# Altium PCB PCIe_to_M2E.PcbDoc (part 5 of 6) (continued)
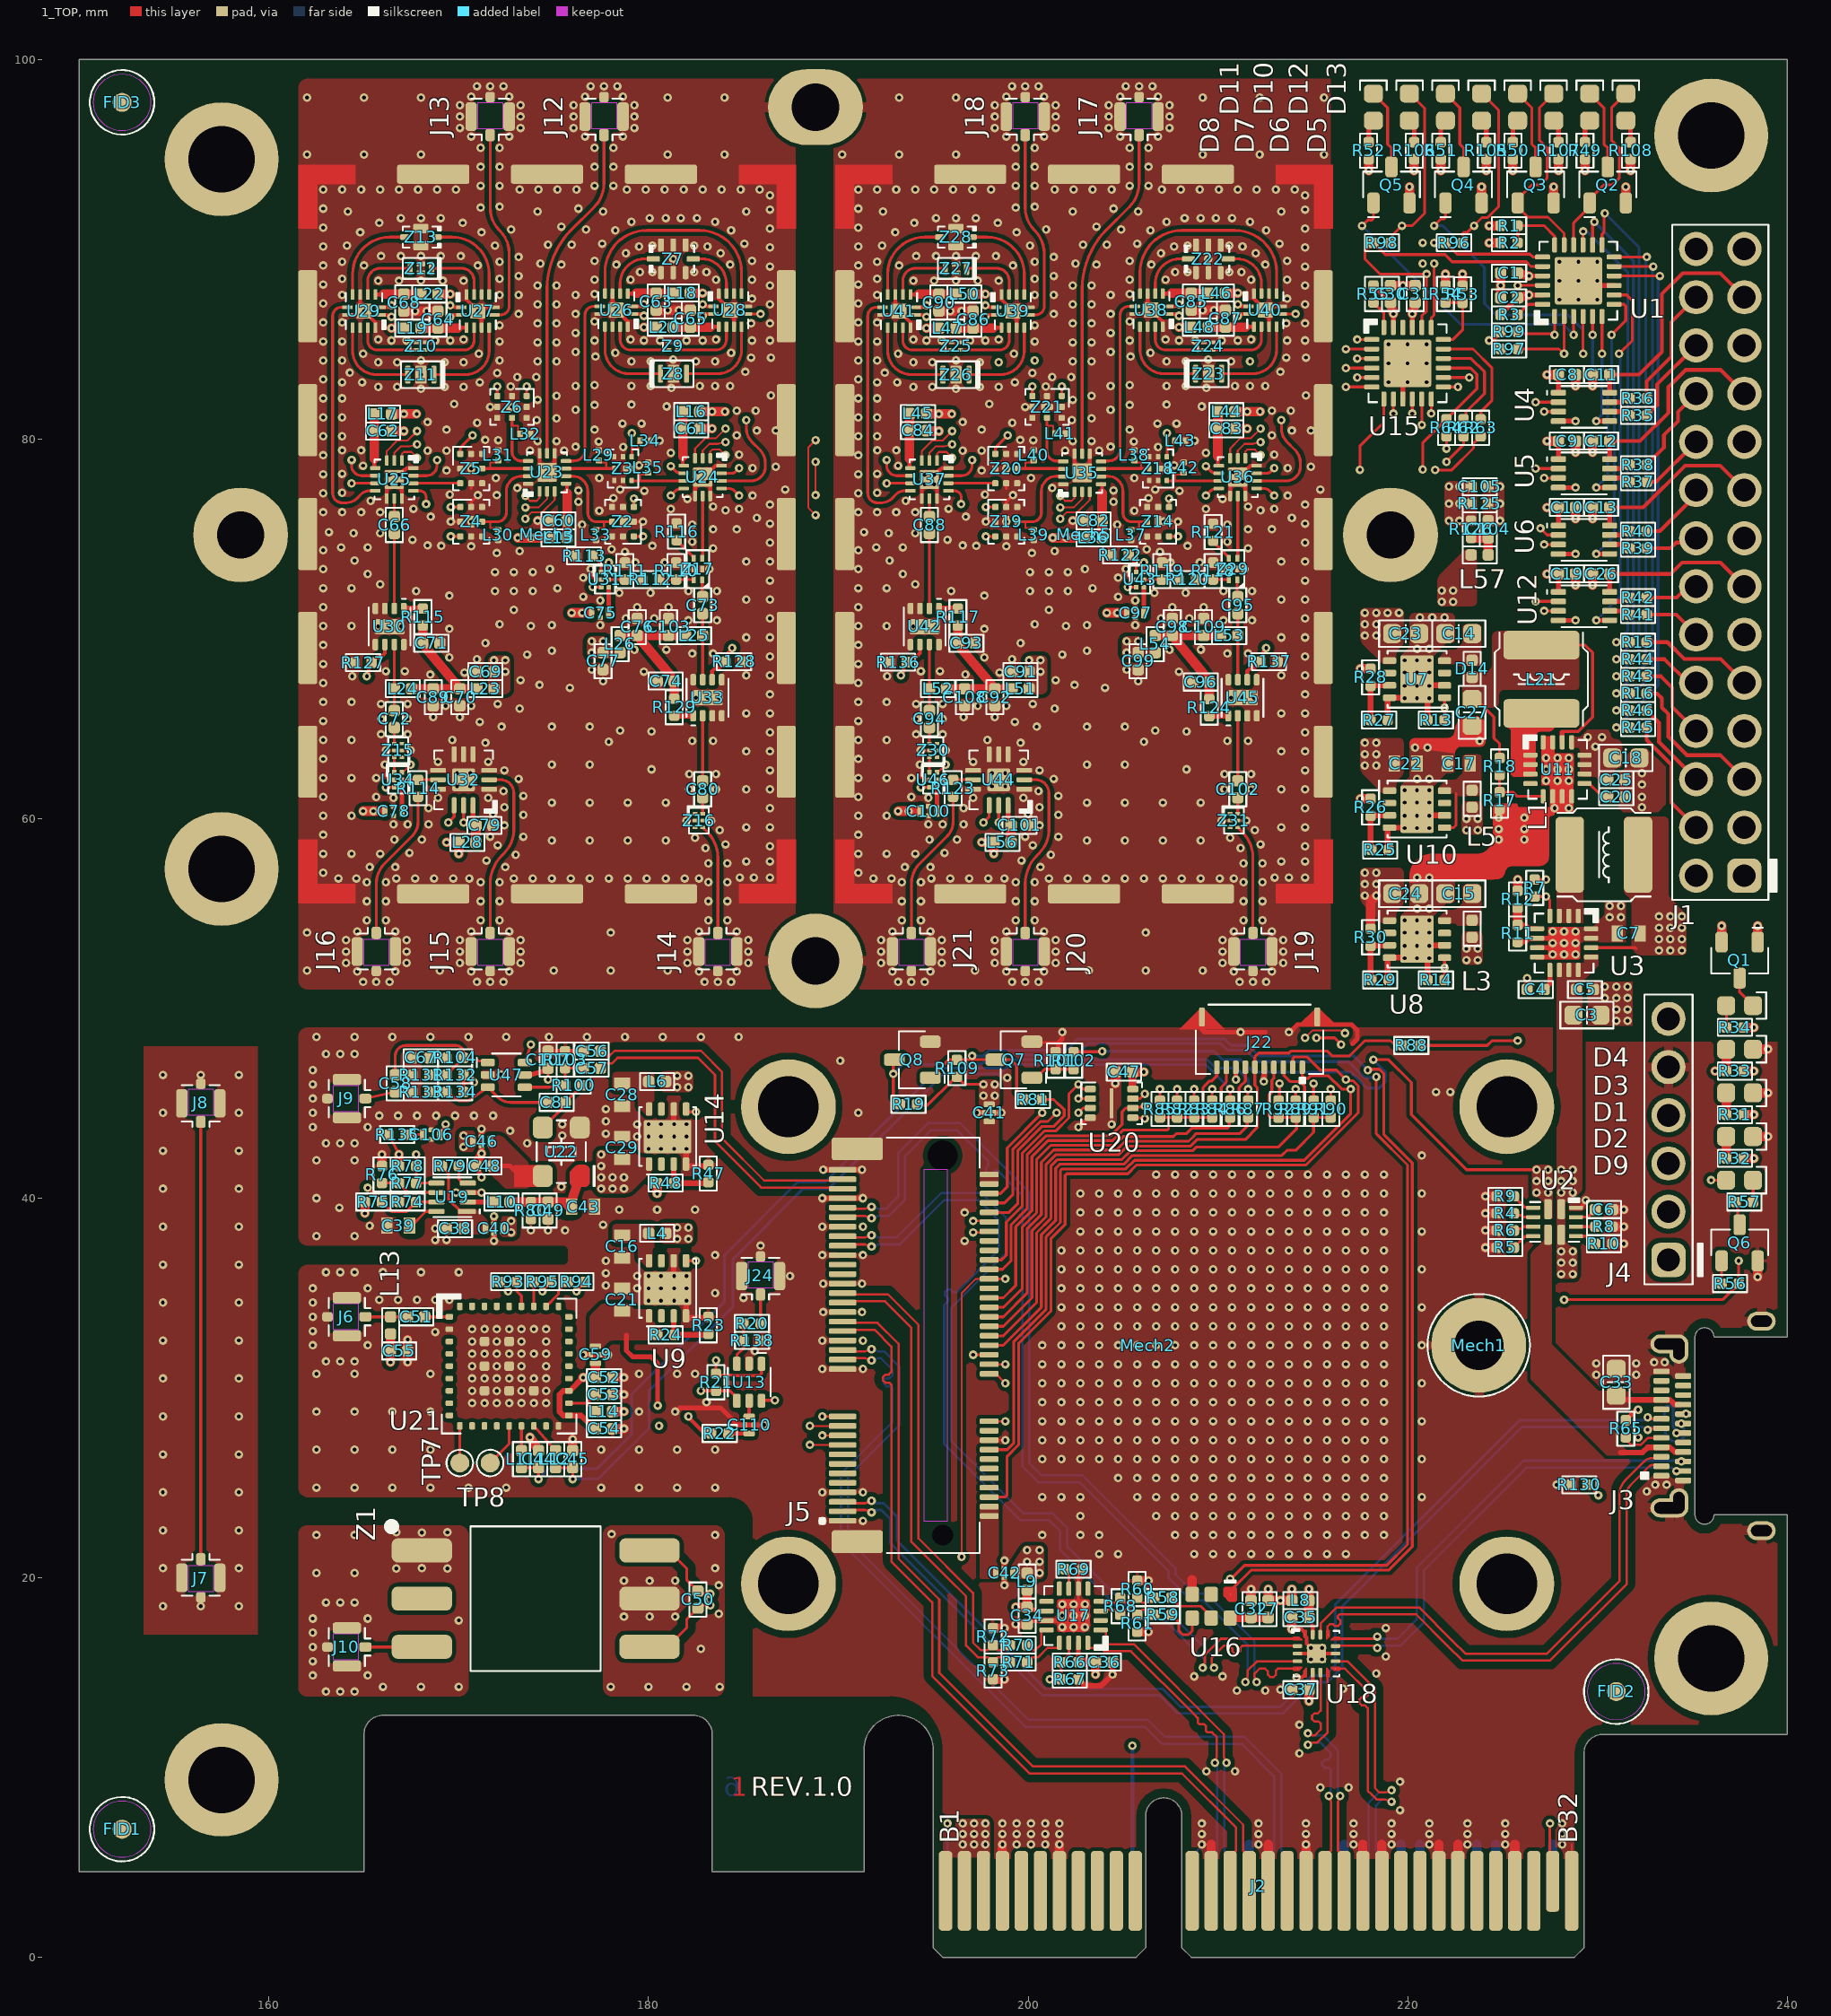
[diagram p0: 1_TOP view]
## Nets (pads, with @x,y where several pads share a name; then routed paths per layer and width w, separated by ;. In a path a pad name is that pad's centre, name@x,y a point inside that pad or via, vN(x,y) a via of type N, cw(c..) or ccw(c..) an arc to the next point about the centre after c; other vN are vias at no path point) (continued)
  1_TOP w0.5: v1(166.4,31.35) C55.2@166.4,31.95 L13.1@166.4,32.85 ; v1(176.55,30.55) C52.1@177.2,30.55 C59.1@177.2,31.2
  3_Signal w0.1: v1(176.55,30.55) 177.5,30.55 178,30.05 181.85,30.05 182.675,29.225 182.675,29.095 182.895,28.875 183.025,28.875 183.4,28.5 187.9,28.5 188.275,28.875 195.408,28.875 196.433,27.85 196.65,27.85 198.4,26.1 199.083,26.1 199.633,26.65 222.45,26.65 230.95,35.15 230.95,39.7 232.5,41.25 232.5,45.05 233.05,45.6 234.25,45.6 236,43.85 v1(236,40.95)
  3_Signal w0.5: v1(166.4,31.35) 168,29.75 169.1,29.75 170.35,28.5 175,28.5 176.25,29.75 176.25,30.25 v1(176.55,30.55)
VCTRL: C43.1 C49.1 L10.2 R80.1 U22.1 | length 5
  1_TOP w0.5: L10.2@172.7,39.8 R80.1@173.8,39.8 C49.1@174.7,39.8 175.59,39.8 175.84,39.55 U22.1@176.375,41.175
VIN_12P0: C18.1 C25.1 J2.A2 J2.A3 J2.B1 J2.B2 J2.B3 R102.2 U2.2 U11.10 U11.11 U11.12 U11.13 | length 30.8
  1_TOP w0.15: R102.2@202.4,47.7 202.42,47.72 203.882,47.72 v1(203.903,47.741) ; v1(218.2,47.3) 219,47.3 220.2,46.1 220.2,44.4 223.1,41.5 v1(226.8,41.5)
  6_BOTTOM w0.15: v1@203.903,47.744 209.806,47.744 210.25,47.3 211.2,47.3 211.85,46.65 217,46.65 217.85,45.8 218.5,45.8 218.838,46.138 218.838,46.662 v1(218.2,47.3)
  other v1: 196.55,5.95 197.15,5.95 197.75,5.95 196.55,6.5 197.15,6.5 197.75,6.5 196.55,7.05 197.15,7.05 197.75,7.05 226.8,40.3 227.4,40.3 226.8,40.9 227.4,40.9 227.4,41.5 229.9,63.8 229.5,64.3 230.25,64.3
pads on no net: D14.1 D14.2 FID1.FID FID2.FID FID3.FID J2.A5 J2.A6 J2.A7 J2.A8 J2.A9 J2.A10 J2.A19 J2.A25 J2.A26 J2.A29 J2.A30 J2.A32 J2.B5 J2.B6 J2.B8 J2.B9 J2.B10 J2.B11 J2.B12 J2.B17 J2.B23 J2.B24 J2.B27 J2.B28 J2.B30 J3.A8 J3.A10 J3.A11 J3.B2 J3.B3 J3.B8 J5.8 J5.9 J5.10 J5.11 J5.12 J5.13 J5.14 J5.15 J5.20 J5.50 J5.53 J5.55 J5.58 J5.60 J5.MH Mech2.MH Mech4.MH U7.2 U7.7 U8.2 U8.7 U9.2 U9.7 U10.2 U10.7 U11.4 U14.2 U14.7 U15.22 U16.2 U17.2 U17.5 U17.8 U17.9 U21.3 U21.4 U21.5 U21.6 U21.7 U21.8 U21.9 U21.11 U21.12 U21.13 U21.17 U21.22 U21.23 U21.24 U21.25 U21.26 U21.27 U21.28 U21.32 U21.33 U21.34 U21.35 U21.36 Z1.5 Z15.1 Z15.3 Z16.1 Z16.3 Z30.1 Z30.3 Z31.1 Z31.3

## Polygon pours and split planes (outlines as drawn)
NetJ7_SH on 1_TOP "NONET_L-01_P-001" (solid, pour order 106): 153.4,48 153.4,17 159.4,17 159.4,48
GND on 1_TOP "NONET_L-01_P-001" (solid, remove dead copper, pour order 98): 189.75,98.5 189.75,51.5 ccw(c190.25,51.5) 190.25,51 215.95,51 215.95,99 190.25,99 ccw(c190.25,98.5)
GND on 1_TOP "1_TOP-GND" (solid, remove dead copper, pour order 68): 228.4,49 229.15,48.25 240,48.25 240,5.2 195.5,5.2 195.5,10.95 ccw(c192.7,10.95) 192.7,13.75 185.5,13.75 185.5,23 ccw(c184.25,23) 184.25,24.25 162.048,24.252 cw(c162.048,24.75) 161.55,24.75 161.55,36 cw(c162.05,36) 162.05,36.5 175.5,36.5 ccw(c175.5,36.75) 175.75,36.75 175.75,37.25 ccw(c175.5,37.25) 175.5,37.5 162.05,37.5 cw(c162.05,38) 161.55,38 161.55,48.5 cw(c162.05,48.5) 162.05,49 162.5,49
GND on 1_TOP "NONET_L-01_P-001" (solid, remove dead copper, pour order 46): 161.55,22.3 161.55,14.2 ccw(c162,14.2) 162,13.75 170,13.75 ccw(c170,14.25) 170.5,14.25 170.5,22.25 ccw(c170,22.25) 170,22.75 162,22.75 ccw(c162,22.3)
GND on 1_TOP "NONET_L-01_P-001" (solid, remove dead copper, pour order 18): 161.55,98.5 161.55,51.5 ccw(c162.05,51.5) 162.05,51 187.75,51 187.75,99 162.05,99 ccw(c162.05,98.5)
GND on 1_TOP "NONET_L-01_P-001" (solid, remove dead copper, pour order 56): 232.25,24.85 232.25,23.3 235.25,23.3 235.25,25 235,25.25 234.05,25.25 233.8,25.5 232.9,25.5
GND on 1_TOP "NONET_L-01_P-001" (solid, pour order 105): 231.15,62.95 231.9,63.7 233.051,63.7 233.9,62.851 233.9,61.05 233.2,60.35 231.35,60.35 231.15,60.55
VIN_12P0 on 1_TOP "NONET_L-01_P-001" (solid, pour order 103): 228.55,64.3 cw(c228.65,64.3) 228.65,64.4 229.05,64.4 ccw(c229.05,64.55) 229.2,64.55 cw(c229.35,64.55) 229.35,64.7 230.5,64.7 cw(c230.5,64.5) 230.7,64.5 230.7,64.45 ccw(c230.95,64.45) 230.95,64.2 cw(c230.95,63.85) 231.3,63.85 231.3,62.9 cw(c231.05,62.9) 231.05,62.65 ccw(c231.05,62.45) 230.85,62.45 230.85,61.9 cw(c230.7,61.9) 230.7,61.75 230.3,61.75 cw(c230.3,62) 230.05,62 ccw(c229.85,62) 229.85,62.2 229.25,62.2 cw(c229.25,62.35) 229.1,62.35 229.1,63.55 ccw(c228.9,63.55) 228.9,63.75 228.7,63.75 cw(c228.7,63.9) 228.55,63.9
VCC_6P2 on 1_TOP "NONET_L-01_P-001" (solid, pour order 102): 222.9,67.4 cw(c223.25,67.4) 223.25,67.75 224.1,67.75 ccw(c224.1,68.1) 224.45,68.1 224.45,69.55 cw(c224.8,69.55) 224.8,69.9 228.8,69.9 cw(c228.8,69.65) 229.05,69.65 229.05,67 cw(c228.85,67) 228.85,66.8 225.15,66.8 ccw(c225.15,66.45) 224.8,66.45 224.8,66.15 cw(c224.5,66.15) 224.5,65.85 223.1,65.85 cw(c223.1,66.05) 222.9,66.05
NetC46_3 on 1_TOP "NONET_L-01_P-001" (solid, remove dead copper, pour order 33): 171.5,43.15 171.5,41.6 ccw(c171.862,41.6) 171.606,41.344 172.344,40.606 ccw(c172.6,40.862) 172.6,40.5 173.55,40.5 ccw(c173.55,40.65) 173.7,40.65 173.7,41.679 ccw(c173.288,41.679) 173.579,41.971 172.356,43.194 ccw(c172.1,42.938) 172.1,43.3 171.65,43.3 ccw(c171.65,43.15)
VIN_12P0 on 1_TOP "NONET_L-01_P-001" (solid, remove dead copper, pour order 0): 195.3,7.3 195.3,5.25 198,5.25 198,7.05 ccw(c197.75,7.05) 197.75,7.3
VCC_3P45 on 1_TOP "NONET_L-01_P-001" (solid, remove dead copper, pour order 81): 223.65,74.075 223.65,71.425 cw(c223.425,71.425) 223.425,71.2 221.8,71.2 cw(c221.8,71.425) 221.575,71.425 221.575,72.5 cw(c222.118,72.5) 221.734,72.884 222.944,74.094 cw(c223.2,73.838) 223.2,74.2 223.525,74.2 cw(c223.525,74.075)
GND on 1_TOP "NONET_L-01_P-001" (solid, remove dead copper, pour order 80): 225.1,75.7 225.1,77.525 ccw(c224.825,77.525) 224.825,77.8 224.125,77.8 ccw(c224.125,77.625) 223.95,77.625 223.95,75.575 ccw(c224.125,75.575) 224.125,75.4 224.8,75.4 ccw(c224.8,75.7)
VCC_RF_3P0 on 1_TOP "NONET_L-01_P-001" (solid, remove dead copper, pour order 79): 222.25,77.8 223.475,77.8 cw(c223.475,77.625) 223.65,77.625 223.65,75.575 cw(c223.5,75.575) 223.5,75.425 222.225,75.425 cw(c222.225,75.7) 221.95,75.7 221.95,77.5 cw(c222.25,77.5)
VCC5P0 on 1_TOP "NONET_L-01_P-001" (solid, remove dead copper, pour order 71): 199.85,66.85 199.85,68.3 cw(c200.15,68.3) 200.15,68.6 200.75,68.6 cw(c200.75,68.35) 201,68.35 201,66.85 cw(c200.7,66.85) 200.7,66.55 200.15,66.55 cw(c200.15,66.85)
VCC5P0 on 1_TOP "NONET_L-01_P-001" (solid, remove dead copper, pour order 2): 206.8,68.45 206.1,68.45 205.2,68.45 cw(c205.2,68.7) 204.95,68.7 204.95,69.35 cw(c205.2,69.35) 205.2,69.6 205.8,69.6 cw(c205.8,69.3) 206.1,69.3 ccw(c206.35,69.3) 206.35,69.05 206.8,69.05 cw(c206.8,68.85) 207,68.85 207,68.65 cw(c206.8,68.65)
VCC_OSC_3P0 on 1_TOP "NONET_L-01_P-001" (solid, remove dead copper, pour order 11): 172.8,39.05 172.3,39.05 ccw(c172.3,38.9) 172.15,38.9 172.15,38.1 ccw(c172.3,38.1) 172.3,37.95 172.8,37.95 ccw(c172.8,38.2) 173.05,38.2 173.05,38.8 ccw(c172.8,38.8)
VCC_OSC_3P0 on 1_TOP "NONET_L-01_P-001" (solid, remove dead copper, pour order 12): 170.25,42.45 170.75,42.45 ccw(c170.75,42.6) 170.9,42.6 170.9,43.4 ccw(c170.75,43.4) 170.75,43.55 170.25,43.55 ccw(c170.25,43.3) 170,43.3 170,42.7 ccw(c170.25,42.7)
VCC_GPS_3P0 on 1_TOP "NONET_L-01_P-001" (solid, remove dead copper, pour order 57): 177.571,32.121 177.854,32.404 cw(c178.086,32.171) 178.086,32.5 180.6,32.5 ccw(c180.6,32.65) 180.75,32.65 180.75,32.9 ccw(c180.509,32.9) 180.679,33.071 180.271,33.479 cw(c180.441,33.65) 180.2,33.65 180.2,34.05 ccw(c180.1,34.05) 180.1,34.15 179.35,34.15 cw(c179.35,34.391) 179.179,34.221 179.021,34.379 ccw(c178.85,34.209) 178.85,34.45 177.7,34.45 ccw(c177.7,34.088) 177.444,34.344 176.971,33.871 ccw(c177.141,33.7) 176.9,33.7 176.9,32.15 ccw(c177,32.15) 177,32.05 177.4,32.05 ccw(c177.4,32.291)
VCC_USB on 1_TOP "NONET_L-01_P-001" (solid, remove dead copper, pour order 54): 231.5,26.45 231.5,26.75 231.05,27.2 231.05,28.65 231.15,28.75 231.45,28.75 ccw(c231.45,29) 231.7,29 231.7,29.6 ccw(c231.45,29.6) 231.45,29.85 230.05,29.85 227.6,32.3 227.6,38.5 ccw(c227.5,38.5) 227.5,38.6 227.3,38.6 ccw(c227.3,38.5) 227.2,38.5 227.2,37.876 cw(c227.017,37.876) 227.146,37.746 226.571,37.171 ccw(c226.741,37) 226.5,37 226.5,30.45 230.5,26.45
VIN_12P0 on 1_TOP "NONET_L-01_P-001" (solid, remove dead copper, pour order 55): 226.8,41.75 227.4,41.75 cw(c227.4,41.5) 227.65,41.5 227.65,39 cw(c227.55,39) 227.55,38.9 227.3,38.9 cw(c227.3,39) 227.2,39 227.2,39.65 ccw(c226.959,39.65) 227.129,39.821 226.935,40.015 ccw(c226.85,39.929) 226.85,40.05 226.75,40.05 cw(c226.75,40.25) 226.55,40.25 226.55,41.5 cw(c226.8,41.5)
GND on 1_TOP "NONET_L-01_P-001" (solid, remove dead copper, pour order 51): 229.95,30.45 235,30.45 ccw(c235,30.7) 235.25,30.7 235.25,32.4 ccw(c235,32.4) 235,32.65 229.95,32.65 ccw(c229.95,32.4) 229.7,32.4 229.7,30.7 ccw(c229.95,30.7)
GND on 1_TOP "NONET_L-01_P-001" (solid, remove dead copper, pour order 50): 230.4,55.65 231.5,55.65 231.5,53.45 228.5,53.45 228.5,54.3 229.75,54.3 230.4,54.95
GND on 1_TOP "NONET_L-01_P-001" (solid, remove dead copper, pour order 49): 229.5,51.4 229.5,49.1 231.85,49.1 231.85,51.4
VCC_MUX on 1_TOP "NONET_L-01_P-001" (solid, remove dead copper, pour order 48): 228.1,35.75 228.7,35.75 ccw(c228.7,36) 228.95,36 228.95,37.2 ccw(c228.7,37.2) 228.7,37.45 228.6,37.45 228.3,37.75 228.3,39.6 cw(c228.662,39.6) 228.406,39.856 228.529,39.979 cw(c228.7,39.809) 228.7,40.05 228.75,40.05 ccw(c228.75,40.291) 228.921,40.121 229.094,40.294 ccw(c228.838,40.55) 229.2,40.55 229.2,51.4 230.05,52.25 230.05,52.85 229.3,52.85 229.3,52.4 227.85,52.4 227.85,46.9 227.85,36 ccw(c228.1,36)
GND on 1_TOP "NONET_L-01_P-001" (solid, remove dead copper, pour order 47): 183.5,13.75 178.1,13.75 cw(c178.1,14.25) 177.6,14.25 177.6,22.25 cw(c178.1,22.25) 178.1,22.75 183.5,22.75 cw(c183.5,22.25) 184,22.25 184,14.25 cw(c183.5,14.25)
VCC_3P45 on 1_TOP "NONET_L-01_P-001" (solid, remove dead copper, pour order 5): 197.65,44.8 198.25,44.8 ccw(c198.25,45.05) 198.5,45.05 198.5,46 ccw(c198.25,46) 198.25,46.25 197.65,46.25 ccw(c197.65,46) 197.4,46 197.4,45.05 ccw(c197.65,45.05)
NetC41_1 on 1_TOP "NONET_L-01_P-001" (solid, remove dead copper, pour order 45): 197.45,40.6 197.45,44.2 198.504,44.2 198.506,44.198 198.45,44.142 198.45,40.6
VCC_3P45 on 1_TOP "NONET_L-01_P-001" (solid, remove dead copper, pour order 44): 199.15,19.95 200.6,19.95 ccw(c200.6,20.2) 200.85,20.2 200.85,21.45 ccw(c200.6,21.45) 200.6,21.7 199.95,21.7 ccw(c199.95,21.423) 199.718,21.574 199.087,20.607 ccw(c199.279,20.482) 199.05,20.482 199.05,20.05 ccw(c199.15,20.05)
NetC42_1 on 1_TOP "NONET_L-01_P-001" (solid, remove dead copper, pour order 43): 197.45,23.8 197.45,20.05 ccw(c197.55,20.05) 197.55,19.95 198.35,19.95 ccw(c198.35,20.05) 198.45,20.05 198.45,23.8 ccw(c198.35,23.8) 198.35,23.9 197.55,23.9 ccw(c197.55,23.8)
VCC_3P45 on 1_TOP "NONET_L-01_P-001" (solid, remove dead copper, pour order 42): 231.8,53.15 231.8,55.5 ccw(c231.317,55.5) 231.659,55.841 231.506,55.994 cw(c231.762,56.25) 231.4,56.25 231.4,59.9 cw(c231.6,59.9) 231.6,60.1 233.55,60.1 cw(c233.55,59.9) 233.75,59.9 233.75,56.05 ccw(c234.112,56.05) 233.856,55.794 234.629,55.021 cw(c234.459,54.85) 234.7,54.85 234.7,53.05 cw(c234.45,53.05) 234.45,52.8 232.25,52.8 cw(c232.25,53.041) 232.079,52.871
NetL1_1 on 1_TOP "NONET_L-01_P-001" (solid, remove dead copper, pour order 41): 227.85,54.5 227.85,59.95 229.25,59.95 229.25,54.5
NetC28_1 on 1_TOP "NONET_L-01_P-001" (solid, remove dead copper, pour order 36): 180.2,44.45 180.2,45 cw(c180.321,45) 180.235,45.085 180.268,45.118 ccw(c180.191,45.195) 180.3,45.195 180.3,46.45 ccw(c180.1,46.45) 180.1,46.65 178.3,46.65 ccw(c178.3,46.45) 178.1,46.45 178.1,45.85 ccw(c178.3,45.85) 178.3,45.65 179,45.65 cw(c179,45.409) 179.171,45.579 179.379,45.371 cw(c179.209,45.2) 179.45,45.2 179.45,44.95 ccw(c179.812,44.95) 179.556,44.694 179.865,44.385 ccw(c179.95,44.471) 179.95,44.35 180.1,44.35 ccw(c180.1,44.45)
VCC_3P45 on 1_TOP "NONET_L-01_P-001" (solid, remove dead copper, pour order 40): 180.6,37.85 180.6,38.45 cw(c180.85,38.45) 180.85,38.7 182.1,38.7 cw(c182.1,38.45) 182.35,38.45 182.35,37.85 cw(c182.1,37.85) 182.1,37.6 180.85,37.6 cw(c180.85,37.85)
NetC16_1 on 1_TOP "NONET_L-01_P-001" (solid, remove dead copper, pour order 39): 180.2,36.45 180.2,37.25 cw(c180.321,37.25) 180.235,37.335 180.274,37.374 ccw(c180.212,37.436) 180.3,37.436 180.3,38.45 ccw(c180.1,38.45) 180.1,38.65 178.3,38.65 ccw(c178.3,38.45) 178.1,38.45 178.1,37.85 ccw(c178.3,37.85) 178.3,37.65 179,37.65 cw(c179,37.409) 179.171,37.579 179.379,37.371 cw(c179.209,37.2) 179.45,37.2 179.45,36.95 ccw(c179.812,36.95) 179.556,36.694 179.865,36.385 ccw(c179.95,36.471) 179.95,36.35 180.1,36.35 ccw(c180.1,36.45)
GND on 1_TOP "NONET_L-01_P-001" (solid, remove dead copper, pour order 38): 177.5,35.15 177.5,36.95 cw(c177.8,36.95) 177.8,37.25 178.9,37.25 cw(c178.9,37.05) 179.1,37.05 179.1,36.8 179.8,36.1 180.15,36.1 180.15,34.4 179.75,34.4 179.3,34.85 177.8,34.85 cw(c177.8,35.15)
VCC_3P45 on 1_TOP "NONET_L-01_P-001" (solid, remove dead copper, pour order 37): 180.6,45.85 180.6,46.45 cw(c180.85,46.45) 180.85,46.7 182.1,46.7 cw(c182.1,46.45) 182.35,46.45 182.35,45.85 cw(c182.1,45.85) 182.1,45.6 180.85,45.6 cw(c180.85,45.85)
GND on 1_TOP "NONET_L-01_P-001" (solid, remove dead copper, pour order 35): 177.5,43.15 177.5,44.95 cw(c177.8,44.95) 177.8,45.25 178.9,45.25 cw(c178.9,45.05) 179.1,45.05 179.1,44.8 179.8,44.1 180.15,44.1 180.15,42.4 179.75,42.4 179.3,42.85 177.8,42.85 cw(c177.8,43.15)
VCC_OSC_3P0 on 1_TOP "NONET_L-01_P-001" (solid, remove dead copper, pour order 34): 177.25,40.5 177.25,42.3 cw(c177.5,42.3) 177.5,42.55 178.95,42.55 cw(c178.95,42.067) 179.291,42.409 179.409,42.291 ccw(c179.75,42.633) 179.75,42.15 180.1,42.15 cw(c180.1,42.05) 180.2,42.05 180.2,41.55 cw(c179.959,41.55) 180.129,41.379 179.177,40.427 cw(c178.75,40.854) 178.75,40.25 177.5,40.25 cw(c177.5,40.5)
NetC38_2 on 1_TOP "NONET_L-01_P-001" (solid, remove dead copper, pour order 31): 171.4,38.1 170.1,38.1 cw(c170.1,38.25) 169.95,38.25 169.95,39.3 cw(c170.1,39.3) 170.1,39.45 170.8,39.45 cw(c170.8,39.209) 170.971,39.379 171.479,38.871 cw(c171.309,38.7) 171.55,38.7 171.55,38.6 171.55,38.25 cw(c171.4,38.25)
GND on 1_TOP "NONET_L-01_P-001" (solid, remove dead copper, pour order 20): 220.4,70.85 222.2,70.85 cw(c222.2,70.55) 222.5,70.55 222.5,69.45 cw(c222.3,69.45) 222.3,69.25 222.05,69.25 221.35,68.55 221.35,68.2 219.65,68.2 219.65,68.6 220.1,69.05 220.1,70.55 cw(c220.4,70.55)
GND on 1_TOP "NONET_L-01_P-001" (solid, remove dead copper, pour order 24): 220.4,57.15 222.2,57.15 cw(c222.2,56.85) 222.5,56.85 222.5,55.75 cw(c222.3,55.75) 222.3,55.55 222.05,55.55 221.35,54.85 221.35,54.5 219.65,54.5 219.65,54.9 220.1,55.35 220.1,56.85 cw(c220.4,56.85)
GND on 1_TOP "NONET_L-01_P-001" (solid, remove dead copper, pour order 28): 220.4,64 222.2,64 cw(c222.2,63.7) 222.5,63.7 222.5,62.6 cw(c222.3,62.6) 222.3,62.4 222.05,62.4 221.35,61.7 221.35,61.35 219.65,61.35 219.65,61.75 220.1,62.2 220.1,63.7 cw(c220.4,63.7)
VCC_3P45 on 1_TOP "NONET_L-01_P-001" (solid, remove dead copper, pour order 30): 223.1,60.9 223.7,60.9 cw(c223.7,60.65) 223.95,60.65 223.95,59.4 cw(c223.7,59.4) 223.7,59.15 223.1,59.15 cw(c223.1,59.4) 222.85,59.4 222.85,60.65 cw(c223.1,60.65)
NetC17_1 on 1_TOP "NONET_L-01_P-001" (solid, remove dead copper, pour order 29): 221.7,61.3 222.55,61.3 222.65,61.2 223.7,61.2 ccw(c223.7,61.4) 223.9,61.4 223.9,63.2 ccw(c223.7,63.2) 223.7,63.4 223.1,63.4 ccw(c223.1,63.2) 222.9,63.2 222.9,62.5 cw(c222.659,62.5) 222.829,62.329 222.621,62.121 cw(c222.45,62.291) 222.45,62.05 222.2,62.05 ccw(c222.2,61.688) 221.944,61.944 221.635,61.635 ccw(c221.721,61.55) 221.6,61.55 221.6,61.4 ccw(c221.7,61.4)
VCC_1P8 on 1_TOP "NONET_L-01_P-001" (solid, remove dead copper, pour order 27): 217.75,64.25 219.55,64.25 cw(c219.55,64) 219.8,64 219.8,62.55 cw(c219.317,62.55) 219.659,62.209 219.541,62.091 ccw(c219.883,61.75) 219.4,61.75 219.4,61.4 cw(c219.3,61.4) 219.3,61.3 218.8,61.3 cw(c218.8,61.541) 218.629,61.371 217.677,62.323 cw(c218.104,62.75) 217.5,62.75 217.5,64 cw(c217.75,64)
VCC_MUX on 1_TOP "NONET_L-01_P-001" (solid, remove dead copper, pour order 26): 223.1,54.05 223.7,54.05 cw(c223.7,53.8) 223.95,53.8 223.95,52.55 cw(c223.7,52.55) 223.7,52.3 223.1,52.3 cw(c223.1,52.55) 222.85,52.55 222.85,53.8 cw(c223.1,53.8)
NetC15_1 on 1_TOP "NONET_L-01_P-001" (solid, remove dead copper, pour order 25): 221.7,54.45 222.5,54.45 cw(c222.5,54.33) 222.585,54.415 222.615,54.385 ccw(c222.7,54.471) 222.7,54.35 223.7,54.35 ccw(c223.7,54.55) 223.9,54.55 223.9,56.35 ccw(c223.7,56.35) 223.7,56.55 223.1,56.55 ccw(c223.1,56.35) 222.9,56.35 222.9,55.65 cw(c222.659,55.65) 222.829,55.479 222.621,55.271 cw(c222.45,55.441) 222.45,55.2 222.2,55.2 ccw(c222.2,54.838) 221.944,55.094 221.635,54.785 ccw(c221.721,54.7) 221.6,54.7 221.6,54.55 ccw(c221.7,54.55)
VCC5P0 on 1_TOP "NONET_L-01_P-001" (solid, remove dead copper, pour order 23): 217.75,57.4 219.55,57.4 cw(c219.55,57.15) 219.8,57.15 219.8,55.7 cw(c219.317,55.7) 219.659,55.359 219.541,55.241 ccw(c219.883,54.9) 219.4,54.9 219.4,54.55 cw(c219.3,54.55) 219.3,54.45 218.8,54.45 cw(c218.8,54.691) 218.629,54.521 217.677,55.473 cw(c218.104,55.9) 217.5,55.9 217.5,57.15 cw(c217.75,57.15)
NetC14_1 on 1_TOP "NONET_L-01_P-001" (solid, remove dead copper, pour order 21): 221.7,68.15 222.5,68.15 cw(c222.5,68.03) 222.585,68.115 222.615,68.085 ccw(c222.7,68.171) 222.7,68.05 223.7,68.05 ccw(c223.7,68.25) 223.9,68.25 223.9,70.05 ccw(c223.7,70.05) 223.7,70.25 223.1,70.25 ccw(c223.1,70.05) 222.9,70.05 222.9,69.35 cw(c222.659,69.35) 222.829,69.179 222.621,68.971 cw(c222.45,69.141) 222.45,68.9 222.2,68.9 ccw(c222.2,68.538) 221.944,68.794 221.635,68.485 ccw(c221.721,68.4) 221.6,68.4 221.6,68.25 ccw(c221.7,68.25)
VCC5P0 on 1_TOP "NONET_L-01_P-001" (solid, remove dead copper, pour order 19): 217.75,71.1 219.55,71.1 cw(c219.55,70.85) 219.8,70.85 219.8,69.4 cw(c219.317,69.4) 219.659,69.059 219.541,68.941 ccw(c219.883,68.6) 219.4,68.6 219.4,68.25 cw(c219.3,68.25) 219.3,68.15 218.8,68.15 cw(c218.8,68.391) 218.629,68.221 217.677,69.173 cw(c218.104,69.6) 217.5,69.6 217.5,70.85 cw(c217.75,70.85)
VCC5P0 on 1_TOP "NONET_L-01_P-001" (solid, remove dead copper, pour order 17): 171.55,66.85 171.55,68.3 cw(c171.85,68.3) 171.85,68.6 172.45,68.6 cw(c172.45,68.35) 172.7,68.35 172.7,66.85 cw(c172.4,66.85) 172.4,66.55 171.85,66.55 cw(c171.85,66.85)
VCC5P0 on 1_TOP "NONET_L-01_P-001" (solid, remove dead copper, pour order 16): 178.6,68.45 177.9,68.45 177,68.45 cw(c177,68.7) 176.75,68.7 176.75,69.35 cw(c177,69.35) 177,69.6 177.6,69.6 cw(c177.6,69.3) 177.9,69.3 ccw(c178.15,69.3) 178.15,69.05 178.6,69.05 cw(c178.6,68.85) 178.8,68.85 178.8,68.65 cw(c178.6,68.65)
NetJ7_SH on 5_Signal "NONET_L-01_P-001" (solid, pour order 110): 153.4,48 153.4,17 159.4,17 159.4,48
GND on 5_Signal "NONET_L-01_P-001" (solid, remove dead copper, pour order 93): 161.55,99.25 239.5,99.25 239.5,12.25 230.25,12.25 ccw(c230.25,10.75) 228.75,10.75 228.75,4.75 195.5,4.75 195.5,11 ccw(c192.75,11) 192.75,13.75 161.55,13.75
GND on 5_Signal "NONET_L-01_P-001" (solid, remove dead copper, pour order 74): 161.55,99 161.55,51 187.75,51 187.75,99
GND on 5_Signal "NONET_L-01_P-001" (solid, remove dead copper, pour order 99): 189.75,99 189.75,51 215.95,51 215.95,99
VCC_1P8 on 5_Signal "NONET_L-01_P-001" (solid, remove dead copper, pour order 91): 176.2,38.05 176.2,29.85 177.55,28.5 181.85,28.5 182,28.65 182,33.25 194.45,45.7 239.125,45.7 239.125,55.325 228.525,55.325 228.525,86.225 231.125,88.825 238.65,88.825 238.65,91.5 219,91.5 219,86.175 224.325,86.175 225.35,85.15 225.35,64.25 216.3,64.25 216.3,48.25 164.85,48.25 164.85,38.05
VCC_1P8 on 5_Signal "NONET_L-01_P-001" (solid, remove dead copper, pour order 62): 198.125,60.725 204,66.6 204,70.85 cw(c204.25,70.85) 204.25,71.1 206.55,71.1 cw(c206.55,70.9) 206.75,70.9 206.75,65.5 208,64.25 219.4,64.25 219.4,58.25 164.7,58.25 164.7,60.725 174.675,60.725 175.7,61.75 175.7,70.85 cw(c175.95,70.85) 175.95,71.1 178.25,71.1 178.25,61.8 179.325,60.725
VCC_OSC_3P0 on 5_Signal "NONET_L-01_P-001" (solid, remove dead copper, pour order 85): 170,43.6 178.05,43.6 180.8,40.85 180.8,39.95 178.6,37.75 172.5,37.75 169.65,40.6 169.65,43.25
NetJ7_SH on 6_BOTTOM "NONET_L-01_P-001" (solid, pour order 111): 153.4,48 153.4,17 159.4,17 159.4,48
GND on 6_BOTTOM "NONET_L-01_P-001" (solid, remove dead copper, pour order 104): 161.55,99.25 239.5,99.25 239.5,12.25 230.25,12.25 ccw(c230.25,10.75) 228.75,10.75 228.75,5.4 195.5,5.4 195.5,11 ccw(c192.75,11) 192.75,13.75 161.55,13.75
VIN_12P0 on 6_BOTTOM "NONET_L-01_P-001" (solid, pour order 58): 227.6,40.2 227.6,42 226.3,42 226.25,41.95 226.25,34.65 227.7,33.2 231.3,33.2 232.75,34.65 232.75,62.45 230.35,64.85 229.15,64.85 228.8,64.5 228.8,54.9 229.15,54.55 229.15,50.25 230.5,48.9 230.5,35.55 227.6,35.55 227.55,35.6
VCC_MUX on 6_BOTTOM "NONET_L-01_P-001" (solid, remove dead copper, pour order 59): 222.25,54.3 222.25,51.3 227.85,45.7 227.85,36 ccw(c228.1,36) 228.1,35.75 230.05,35.75 ccw(c230.05,36) 230.3,36 230.3,48.75 224.75,54.3
VIN_12P0 on 6_BOTTOM "NONET_L-01_P-001" (solid, remove dead copper, pour order 84): 196.3,5.25 196.3,7.05 cw(c196.55,7.05) 196.55,7.3 197.75,7.3 cw(c197.75,7.05) 198,7.05 198,5.25
NetJ7_SH on 3_Signal "NONET_L-01_P-001" (solid, pour order 108): 153.4,48 153.4,17 159.4,17 159.4,48
GND on 3_Signal "NONET_L-01_P-001" (solid, remove dead copper, pour order 97): 161.55,99.25 239.5,99.25 239.5,12.25 230.25,12.25 ccw(c230.25,10.75) 228.75,10.75 228.75,4.75 195.5,4.75 195.5,11 ccw(c192.75,11) 192.75,13.75 161.55,13.75
VCC_3P45 on 3_Signal "NONET_L-01_P-001" (solid, remove dead copper, pour order 63): 217.7,92 229.75,92 231,90.75 231,54.95 233.15,52.8 238.65,52.8 238.65,57.9 234,57.9 234,92.25 231.85,94.4 217.7,94.4
NetJ7_SH on 4_GND "NONET_L-01_P-001" (solid, pour order 109): 153.4,48 153.4,17 159.4,17 159.4,48
GND on 4_GND "NONET_L-01_P-001" (solid, remove dead copper, pour order 95): 161.55,99.25 239.5,99.25 239.5,12.25 230.25,12.25 ccw(c230.25,10.75) 228.75,10.75 228.75,4.75 195.5,4.75 195.5,11 ccw(c192.75,11) 192.75,13.75 161.55,13.75
GND on 4_GND "NONET_L-01_P-001" (solid, remove dead copper, pour order 94): 161.55,99.25 239.5,99.25 239.5,12.25 230.25,12.25 ccw(c230.25,10.75) 228.75,10.75 228.75,4.75 195.5,4.75 195.5,11 ccw(c192.75,11) 192.75,13.75 161.55,13.75
VCC5P0 on 4_GND "NONET_L-01_P-001" (solid, remove dead copper, pour order 89): 163.35,71.5 163.35,57.6 221.3,57.6 221.3,73 204.5,73 203,71.5 190,71.5
VCC_3P45 on 4_GND "NONET_L-01_P-001" (solid, remove dead copper, pour order 90): 196.3,18 214.15,18 214.15,20.825 203.5,20.825 203.5,40.3 205.2,42 238.5,42 238.5,57.75 225.8,57.75 224.75,58.8 224.75,73 221.55,73 221.55,52.3 217.25,48 181,48 181,37.6 183.825,37.6 186.475,40.25 196.3,40.25
VIN_12P0 on 4_GND "NONET_L-01_P-001" (solid, remove dead copper, pour order 82): 227.65,41.75 227.65,18.65 218.5,9.5 200.5,9.5 198.25,7.25 198.25,5.7 196,5.7 196,10.25 199.7,13.95 213.9,13.95 218,18.05 218,41.75
VCC_RF_3P0 on 4_GND "NONET_L-01_P-001" (solid, remove dead copper, pour order 83): 163.362,71.75 202.9,71.75 204.4,73.25 224.75,73.25 224.75,91.5 163.337,91.5
NetJ7_SH on 2_GND "NONET_L-01_P-001" (solid, pour order 107): 153.4,47.975 153.4,16.975 159.4,16.975 159.4,47.975
GND on 2_GND "NONET_L-01_P-001" (solid, remove dead copper, pour order 64): 161.55,99.25 239.5,99.25 239.5,12.25 230.25,12.25 ccw(c230.25,10.75) 228.75,10.75 228.75,4.75 195.5,4.75 195.5,11 ccw(c192.75,11) 192.75,13.75 161.55,13.75

## Other copper
1_TOP:
  rectangle net NetC46_3: 172.9,40.6 174.4,41.75
  rectangle net GND: 227.5,60.3 228.75,62.35
  rectangle net GND: 227.05,62.1 227.75,64.35
  region net NetL21_1: 225.45,62.85 225.45,62.4 ccw(c225.65,62.4) 225.65,62.2 226.55,62.2 ccw(c226.55,62.4) 226.75,62.4 226.75,62.85
  region net NetL21_1: 226.6,62.35 ccw(c226.6,62.5) 226.75,62.5 226.75,64.3 cw(c227.05,64.3) 227.05,64.6 227.45,64.6 ccw(c227.45,64.9) 227.75,64.9 227.75,65.2 ccw(c227.7,65.2) 227.7,65.25 225.6,65.25 ccw(c225.617,64.875) 225.25,64.8 cw(c225.225,64.575) 225.45,64.55 225.45,62.5 ccw(c225.65,62.55) 225.7,62.35
  region net GND: 220.1,56.6 220.1,56.95 cw(c221.3,56.95) 221.3,58.15 223.65,58.15 ccw(c223.65,59) 224.5,59 224.5,60.55 cw(c224.75,60.55) 224.75,60.8 225.7,60.8 cw(c225.7,60.7) 225.8,60.7 ccw(c225.9,60.7) 225.9,60.6 227.6,60.6 cw(c227.6,60.45) 227.75,60.45 227.75,60.3 cw(c227.6,60.3) 227.6,60.15 ccw(c227.6,60) 227.45,60 227.45,58 cw(c226.95,58) 226.95,57.5 225.6,57.5 ccw(c225.525,57.125) 225.15,57.2 cw(c224.65,57.3) 224.55,56.8 222.1,56.8
  region net GND: 222.5,63.45 cw(c222.85,63.45) 222.85,63.8 223.85,63.8 ccw(c223.85,64.05) 224.1,64.05 224.1,64.9 ccw(c223.6,64.9) 223.6,65.4 223.25,65.4 ccw(c223.25,64.65) 222.5,64.65 cw(c222.1,64.65) 222.1,64.25 220.4,64.25 ccw(c220.4,63.95) 220.1,63.95 220.1,63.75
  region net GND: 207.97,48.9 209.02,49.95 209.32,49.95 210.37,48.9
  region net GND: 214.3,49.15 215.1,49.95 215.4,49.95 216.2,49.15
  pour cut-out: 204.9,47.05 204.9,43.95 205.05,43.8 211.3,43.8 214.3,46.8 213.55,47.55 209.6,47.55 209.4,47.35 209.4,46.45 209.2,46.25 206.65,46.25 206.4,46.5 206.4,47.05
  pour cut-out: 171.2,46.2 170.55,46.2 170.55,47.15 170.6,47.1 171.2,47.1
  text "1" at 184.333,8.5 h1